# KiCad board rp2040_tmp.kicad_pcb (continued)
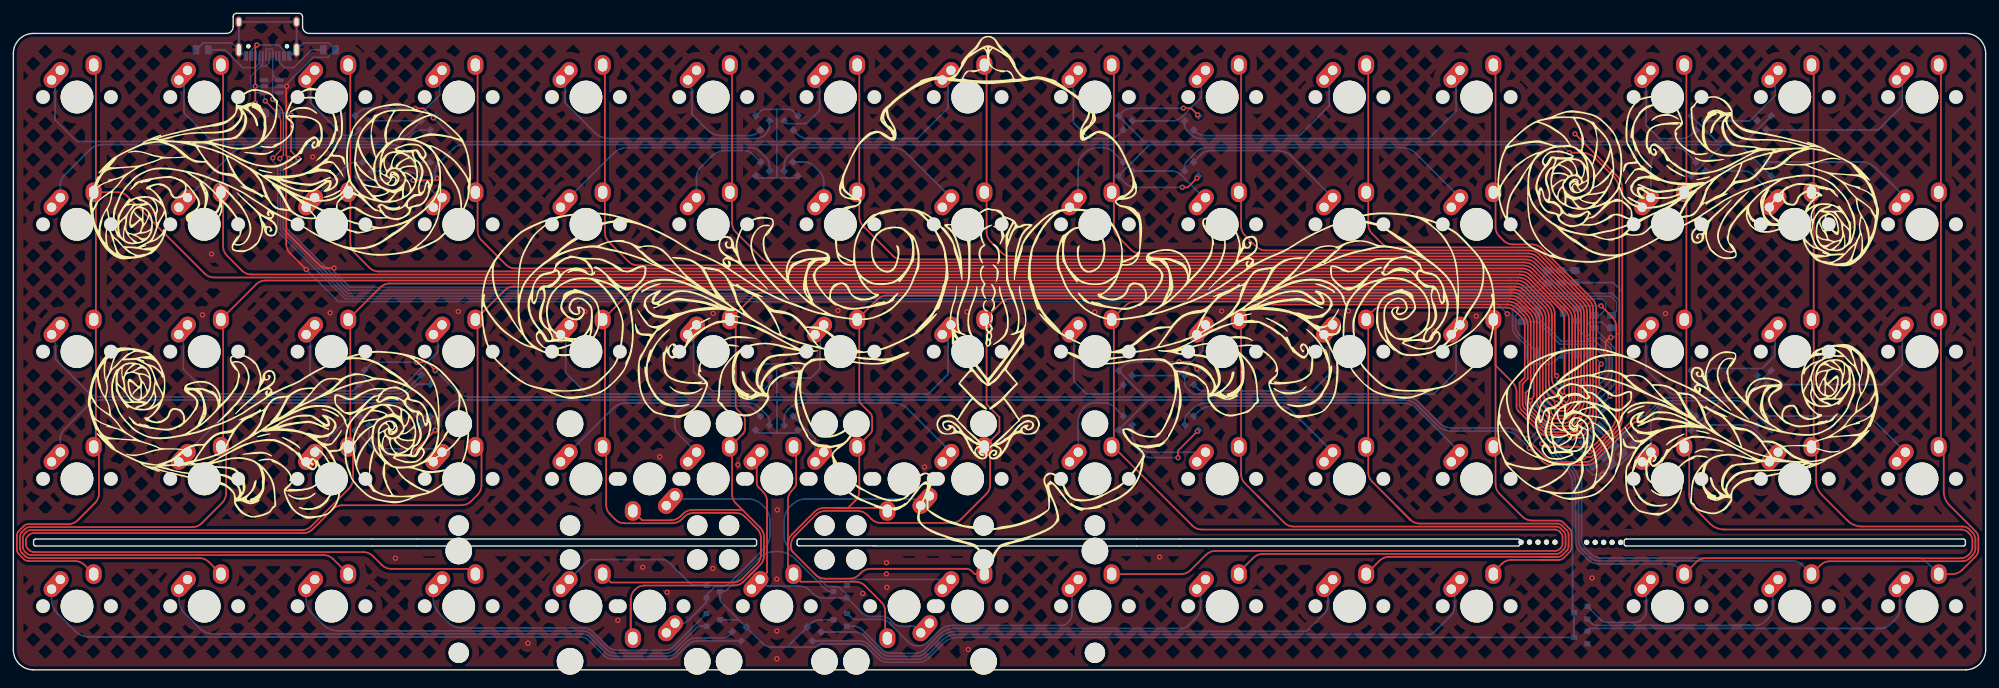
[diagram p0: board, top side]
## Routing (per net, layer and track width the routed paths; a pad name or vN(x,y) marks a point on that pad's centre or on a via; arc(x,y) is an arc through that point) (continued)
  Bottom w0.25: v1(232.2,41) 232.2,41 U0.22
COL2: length 558.1
  Top w0.25: 229.87,52.25 229.87,43 arc(230.02,42.24) 230.46,41.59 v1(232.11,39.94) ; 229.87,52.25 229.87,52.92 arc(229.72,53.69) 229.28,54.34 226.39,57.23 arc(225.74,57.67) 224.97,57.82 56.35,57.82 arc(55.58,57.67) 54.93,57.23 SW203.2 50.45,52.1 50.45,33.7 SW303.2 50.84,32.66 50.84,28.55 arc(50.69,27.79) 50.26,27.14 44.61,21.49 arc(43.96,21.05) 43.19,20.9 2.62,20.9 arc(2.24,20.82) 1.92,20.61 1.71,20.4 arc(1.5,20.08) 1.42,19.7 1.42,18.4 arc(1.5,18.02) 1.71,17.7 1.94,17.47 arc(2.27,17.25) 2.65,17.18 46.45,17.18 arc(47.21,17.02) 47.86,16.59 50.12,14.33 ; 229.87,52.25 229.87,52.52 ; v1(232.11,39.94) 232.17,39.88 ; v1(232.11,39.94) 232.5,39.94 232.63,40.07 arc(232.84,40.39) 232.92,40.77 232.92,52.41 arc(232.77,53.18) 232.33,53.83 227.13,59.03 arc(226.48,59.47) 225.72,59.62 54.69,59.62 arc(53.93,59.77) 53.28,60.2 51.04,62.45 arc(50.6,63.1) 50.45,63.86 50.45,71.15 SW13.2 50.45,71.8 50.45,90.2 50.12,90.53
  Bottom w0.25: U0.21 232.11,39.96 v1(232.11,39.94)
COL3: length 556.8
  Top w0.25: 69.17,90.53 69.5,90.2 69.5,71.8 SW14.2 69.5,71.15 69.5,65.7 arc(69.65,64.94) 70.09,64.29 73.72,60.65 arc(74.37,60.22) 75.14,60.07 225.9,60.07 arc(226.67,59.92) 227.32,59.48 232.78,54.02 arc(233.22,53.37) 233.37,52.6 233.37,41 arc(233.22,40.24) 232.78,39.59 232.41,39.21 231.71,39.21 v1(231.02,39.9) 230.01,40.91 arc(229.57,41.56) 229.42,42.33 229.42,52.73 arc(229.27,53.5) 228.84,54.15 226.2,56.79 arc(225.55,57.22) 224.78,57.37 74.95,57.37 arc(74.18,57.22) 73.54,56.79 SW204.2 69.5,52.1 69.5,33.7 SW304.2 69.22,33.38 70.08,32.51 70.08,27.61 arc(69.93,26.84) 69.5,26.19 68.52,25.22 arc(67.87,24.78) 67.11,24.63 49.21,24.63 arc(48.45,24.48) 47.8,24.04 44.79,21.04 arc(44.14,20.6) 43.38,20.45 3.02,20.45 arc(2.64,20.37) 2.31,20.16 2.16,20.01 arc(1.95,19.68) 1.87,19.3 1.87,18.83 arc(1.95,18.45) 2.16,18.12 2.37,17.92 arc(2.69,17.7) 3.07,17.63 52.39,17.63 arc(53.16,17.47) 53.81,17.04 55.15,15.7 arc(55.8,15.26) 56.56,15.11 68.39,15.11 69.17,14.33
  Bottom w0.25: U0.20 231.02,39.91 v1(231.02,39.9)
COL4: length 448.9
  Top w0.25: 224.15,56.92 93.55,56.92 arc(92.78,56.77) 92.14,56.34 SW205.2 88.55,52.1 ; 224.15,56.92 224.6,56.92 arc(225.36,56.77) 226.01,56.34 228.39,53.96 arc(228.82,53.31) 228.97,52.55 228.97,41.73 arc(229.12,40.96) 229.56,40.31 v1(231.11,38.76) ; 224.15,56.92 224.8,56.92 ; 88.55,52.1 88.55,42.97 ; 88.55,52.1 88.55,33.7 SW305.2 88.74,32.86 88.74,24.69 arc(88.9,23.92) 89.33,23.27 90.08,22.53 arc(90.73,22.09) 91.49,21.94 98.66,21.94 arc(99.42,22.09) 100.07,22.53 100.45,22.9 arc(101.1,23.34) 101.86,23.49 108.13,23.49 arc(108.9,23.34) 109.55,22.9 111.35,21.1 arc(111.78,20.45) 111.94,19.69 111.94,17.28 arc(111.78,16.51) 111.35,15.87 109.14,13.66 arc(108.49,13.22) 107.72,13.07 89.48,13.07 88.22,14.33 ; 88.22,90.53 88.55,90.2 88.55,71.8 SW15.2 88.55,71.15 88.55,65.47 arc(88.7,64.71) 89.14,64.06 92.09,61.1 arc(92.74,60.67) 93.51,60.52 226.09,60.52 arc(226.85,60.37) 227.5,59.93 233.23,54.2 arc(233.67,53.55) 233.82,52.79 233.82,40.82 arc(233.67,40.05) 233.23,39.4 232.59,38.76 v1(231.11,38.76) ; v1(231.11,38.76) 230.2,39.67
  Bottom w0.25: v1(231.11,38.76) 231.04,38.76 U0.19
COL5: length 415.2
  Top w0.25: 109.15,23.94 101.68,23.94 arc(100.91,23.79) 100.26,23.35 99.88,22.98 arc(99.24,22.54) 98.47,22.39 94.14,22.39 92.75,23.78 ; 110.54,14.42 111.4,15.28 ; 110.54,14.42 109.33,13.21 arc(108.68,12.77) 107.91,12.62 94.51,12.62 arc(93.75,12.47) 93.1,12.03 93.01,11.95 arc(92.58,11.3) 92.43,10.53 92.43,5.05 ; 110.54,14.42 110.04,13.92 111.8,15.68 arc(112.23,16.33) 112.38,17.09 112.38,19.87 arc(112.23,20.64) 111.8,21.29 108.19,24.9 arc(107.75,25.55) 107.6,26.31 107.6,33.05 SW306.2 109.23,35.33 arc(109.45,35.66) 109.52,36.04 109.52,37.4 arc(109.45,37.78) 109.23,38.1 108.43,38.91 arc(108.21,39.23) 108.14,39.61 108.14,51.56 SW206.2 110.74,55.89 arc(111.39,56.32) 112.15,56.47 223.92,56.47 ; 223.92,56.47 224.41,56.47 arc(225.18,56.32) 225.83,55.89 227.94,53.78 arc(228.37,53.13) 228.52,52.36 228.52,48.13 ; 223.92,56.47 224.32,56.47 ; 92.43,5.05 93.54,3.93 ; 92.43,5.05 92.43,10.69 ; 228.52,48.13 228.52,40.95 arc(228.67,40.19) 229.11,39.54 v1(229.95,38.7) 230.61,38.04 232.51,38.04 233.68,39.22 arc(234.12,39.87) 234.27,40.63 234.27,52.97 arc(234.12,53.74) 233.68,54.39 227.69,60.38 arc(227.04,60.82) 226.27,60.97 113.52,60.97 arc(112.75,61.12) 112.1,61.55 108.19,65.47 arc(107.75,66.12) 107.6,66.88 107.6,71.15 SW16.2 107.6,71.8 107.6,90.2 107.27,90.53 ; 228.52,48.13 228.52,51.9
  Bottom w0.25: U0.18 229.95,38.73 v1(229.95,38.7)
COL6: length 369.8
  Top w0.25: 123.3,24.23 130.4,24.23 130.85,23.78 ; 123.3,24.23 124.95,24.23 126.06,25.34 arc(126.5,25.99) 126.65,26.75 126.65,33.05 SW307.2 128.28,35.33 arc(128.5,35.66) 128.57,36.04 128.57,37.71 arc(128.5,38.09) 128.28,38.41 126.94,39.75 arc(126.73,40.08) 126.65,40.46 126.65,52.1 SW207.2 129.34,55.44 arc(129.99,55.87) 130.75,56.02 224.23,56.02 arc(224.99,55.87) 225.64,55.44 227.49,53.59 arc(227.92,52.94) 228.07,52.18 228.07,40.38 arc(228.22,39.61) 228.66,38.96 v1(229.96,37.66) 230.03,37.59 232.69,37.59 234.13,39.03 arc(234.57,39.68) 234.72,40.44 234.72,53.16 arc(234.57,53.93) 234.13,54.57 227.87,60.83 arc(227.23,61.26) 226.46,61.42 133.05,61.42 arc(132.28,61.57) 131.63,62 127.24,66.4 arc(126.8,67.05) 126.65,67.82 126.65,71.15 SW17.2 126.65,71.8 126.65,90.2 126.33,90.53 ; 123.3,24.23 121.36,24.23 arc(120.59,24.08) 119.94,23.64 116.55,20.25 arc(116.12,19.6) 115.97,18.84 ; SW407_3.2 117.2,32.98 117.2,27.89 arc(117.12,27.51) 116.9,27.18 116.55,26.83 arc(116.12,26.18) 115.97,25.42 115.97,18.84 ; 130.85,4.73 130.53,5.05 130.53,8.72 arc(130.37,9.49) 129.94,10.14 127.47,12.6 arc(126.82,13.04) 126.06,13.19 117.94,13.19 115.97,15.16 115.97,18.84
  Bottom w0.25: v1(229.96,37.66) 229.88,37.66 U0.17
COL7: length 340.6
  Top w0.25: 145.38,90.53 145.7,90.2 145.7,71.8 SW18.2 145.7,71.15 145.7,65.52 arc(145.85,64.76) 146.29,64.11 147.94,62.45 arc(148.59,62.02) 149.36,61.87 226.65,61.87 arc(227.41,61.71) 228.06,61.28 234.58,54.76 arc(235.01,54.11) 235.17,53.35 235.17,40.26 arc(235.01,39.49) 234.58,38.84 232.97,37.23 arc(232.64,37.01) 232.26,36.94 230.07,36.94 arc(229.69,37.01) 229.36,37.23 227.41,39.18 arc(227.2,39.51) 227.12,39.89 v1(227.12,40.3) 227.33,40.51 arc(227.55,40.83) 227.62,41.22 227.62,51.99 arc(227.47,52.76) 227.04,53.4 225.45,54.99 arc(224.81,55.42) 224.04,55.57 149.35,55.57 arc(148.59,55.42) 147.94,54.99 SW208.2 145.7,52.1 145.7,39.74 147.62,37.81 147.62,35.62 SW308.2 145.38,33.27 146.25,32.4 146.25,27.73 arc(146.09,26.96) 145.66,26.31 141.91,22.56 arc(141.26,22.13) 140.49,21.98 129.89,21.98 arc(129.12,22.13) 128.47,22.56 127.84,23.19 arc(127.19,23.63) 126.43,23.78 121.54,23.78 arc(120.78,23.63) 120.13,23.19 117,20.07 arc(116.57,19.42) 116.42,18.65 116.42,18.33 arc(116.49,17.95) 116.71,17.62 120.11,14.22 arc(120.76,13.79) 121.52,13.64 125.19,13.64 arc(125.96,13.79) 126.6,14.22 126.91,14.53 arc(127.56,14.96) 128.33,15.12 142.72,15.12 arc(143.1,15.04) 143.43,14.82 143.93,14.33 145.38,14.33
  Bottom w0.25: v1(227.12,40.3) 227.12,38.37 U0.16
COL8: length 373.9
  Top w0.25: 164.43,90.53 164.75,90.2 164.75,71.8 SW19.2 164.75,71.15 164.75,66.27 arc(164.9,65.51) 165.34,64.86 167.29,62.9 arc(167.94,62.47) 168.71,62.32 226.83,62.32 arc(227.6,62.16) 228.25,61.73 235.03,54.95 arc(235.46,54.3) 235.62,53.53 235.62,39.55 arc(235.46,38.78) 235.03,38.14 v1(234.47,37.58) 233.68,36.78 arc(233.35,36.56) 232.97,36.49 229.89,36.49 arc(229.5,36.56) 229.18,36.78 226.69,39.27 arc(226.47,39.6) 226.4,39.98 226.4,41.45 227.17,42.23 227.17,51.8 arc(227.02,52.57) 226.59,53.22 225.27,54.54 arc(224.62,54.97) 223.85,55.12 167.95,55.12 arc(167.19,54.97) 166.54,54.54 SW209.2 164.75,52.1 164.75,33.7 SW309.2 164.7,33.38 176.5,21.58 arc(177.15,21.14) 177.91,20.99 230.77,20.99 arc(231.15,20.92) 231.48,20.7 231.64,20.53 arc(231.86,20.21) 231.94,19.83 231.94,18.91 arc(231.86,18.53) 231.64,18.21 231.53,18.09 arc(231.2,17.88) 230.82,17.8 179.96,17.8 arc(179.2,17.65) 178.55,17.21 176.25,14.91 arc(175.6,14.48) 174.83,14.33 164.43,14.33 164.43,14.78
  Bottom w0.25: v1(234.47,37.58) 234.46,37.59 234.46,42.02 U0.26
COL9: length 302.4
  Top w0.25: 183.48,90.53 183.8,90.2 183.8,71.8 SW110.2 183.8,71.15 183.8,66.43 arc(183.95,65.67) 184.39,65.02 186.05,63.35 arc(186.7,62.92) 187.47,62.77 227.02,62.77 arc(227.78,62.61) 228.43,62.18 235.48,55.13 arc(235.91,54.48) 236.07,53.72 236.07,38.97 arc(235.91,38.21) 235.48,37.56 v1(234.43,36.51) 233.96,36.04 229.7,36.04 arc(229.32,36.12) 228.99,36.33 226.24,39.09 arc(226.02,39.41) 225.95,39.79 225.95,42.8 226.72,43.58 226.72,51.62 arc(226.57,52.38) 226.14,53.03 225.08,54.09 arc(224.43,54.52) 223.67,54.67 185.86,54.67 arc(185.48,54.6) 185.16,54.38 183.48,52.7 SW210.2 183.8,52.1 183.8,33.7 SW310.2 183.8,33.05 183.8,29.32 arc(183.95,28.56) 184.39,27.91 186.35,25.94 ; 186.35,25.94 187.97,24.32 ; 186.35,25.94 190.27,22.03 arc(190.92,21.59) 191.68,21.44 230.96,21.44 arc(231.34,21.36) 231.66,21.15 232.09,20.72 arc(232.31,20.39) 232.38,20.01 232.38,18.71 arc(232.31,18.33) 232.09,18.01 231.73,17.64 arc(231.4,17.43) 231.02,17.35 187.05,17.35 arc(186.29,17.2) 185.64,16.76 183.48,14.6 183.48,14.33
  Bottom w0.25: v1(234.43,36.51) 234.43,36.5 U0.5 ; U0.5 236.11,34.71 ; U0.5 236.12,34.83 ; U0.5 236.04,34.83
COL10: length 230.6
  Top w0.25: 207.13,24.46 203.44,28.16 arc(203,28.81) 202.85,29.57 202.85,33.05 SW311.2 202.85,33.7 202.85,52.1 SW211.2 202.53,52.7 203.76,53.93 arc(204.08,54.15) 204.46,54.22 223.48,54.22 arc(224.25,54.07) 224.9,53.64 225.69,52.85 arc(226.12,52.2) 226.27,51.43 226.27,43.76 225.5,42.98 225.5,39.61 arc(225.57,39.22) 225.79,38.9 228.81,35.88 arc(229.13,35.67) 229.51,35.59 234.2,35.59 v1(234.37,35.43) 235.93,36.99 arc(236.36,37.63) 236.52,38.4 236.52,53.9 arc(236.36,54.67) 235.93,55.32 228.62,62.63 arc(227.97,63.06) 227.21,63.21 206.31,63.21 arc(205.54,63.37) 204.89,63.8 203.44,65.26 arc(203,65.91) 202.85,66.67 202.85,71.15 SW111.2 202.85,71.8 202.85,90.2 202.53,90.53 ; 207.13,24.46 209.2,22.4 ; 207.13,24.46 209.12,22.48 arc(209.77,22.04) 210.53,21.89 231.14,21.89 arc(231.52,21.81) 231.85,21.6 232.54,20.91 arc(232.76,20.58) 232.83,20.2 232.83,18.53 arc(232.76,18.14) 232.54,17.82 231.91,17.19 arc(231.59,16.98) 231.21,16.9 228.9,16.9 ; 231.19,16.9 205.93,16.9 arc(205.16,16.75) 204.52,16.32 202.53,14.33 202.53,14.6
  Bottom w0.25: v1(234.37,35.43) 234.38,35.43 U0.6
COL11: length 159.1
  Top w0.25: 225.65,38.4 228.62,35.43 arc(228.94,35.22) 229.33,35.14 232.57,35.14 233.01,34.7 v1(233.42,34.7) 234.67,34.7 236.38,36.42 arc(236.82,37.06) 236.97,37.83 236.97,40.08 236.97,40.08 236.97,54.09 arc(236.81,54.86) 236.38,55.5 228.81,63.08 arc(228.16,63.51) 227.39,63.66 224.51,63.66 arc(223.74,63.82) 223.09,64.25 222.49,64.86 arc(222.05,65.51) 221.9,66.27 221.9,71.15 SW112.2 221.9,71.8 221.9,90.2 221.58,90.53 ; 225.65,38.4 225.34,38.71 ; 225.65,38.4 225.34,38.71 ; 228.46,16.45 231.39,16.45 arc(231.78,16.53) 232.1,16.74 232.99,17.63 arc(233.21,17.96) 233.28,18.34 233.28,20.38 arc(233.21,20.77) 232.99,21.09 232.04,22.05 arc(231.71,22.26) 231.33,22.34 227.33,22.34 arc(226.57,22.49) 225.92,22.93 222.49,26.36 arc(222.05,27.01) 221.9,27.77 221.9,33.05 SW312.2 221.9,33.7 221.9,52.1 ; 228.46,16.45 224.25,16.45 arc(223.49,16.3) 222.84,15.87 221.58,14.6 221.58,14.33 ; 228.46,16.45 231.38,16.45 ; 221.9,52.1 SW212.2 ; 221.9,52.1 221.9,45.55 224.46,42.99 arc(224.89,42.34) 225.05,41.57 225.05,39.42 arc(225.12,39.04) 225.34,38.71
  Bottom w0.25: v1(233.42,34.7) 233.64,34.92 233.64,42.33 U0.25
COL12: length 191.7
  Top w0.25: 250.15,14.33 251.94,16.11 arc(252.59,16.55) 253.35,16.7 291.61,16.7 arc(292.19,16.81) 292.67,17.14 292.86,17.32 arc(293.18,17.81) 293.3,18.38 293.3,19.31 arc(293.18,19.88) 292.86,20.37 292.66,20.56 arc(292.18,20.89) 291.6,21 256.14,21 arc(254.99,21.23) 254.02,21.88 251.77,24.12 arc(251.12,25.09) 250.9,26.24 250.9,32.35 250.15,33.1 SW313.2 250.47,33.7 250.47,90.2 250.15,90.53
  Bottom w0.25: U0.11 230.71,33.74 230.71,32.81 arc(230.79,32.43) 231,32.11 233,30.11 arc(233.65,29.14) 233.88,27.99 233.88,19.21 arc(234.03,18.45) 234.46,17.8 235.83,16.44 arc(236.47,16) 237.24,15.85 247.8,15.85 arc(248.56,15.7) 249.21,15.26 250.15,14.33
COL13: length 171.4
  Top w0.25: 269.2,90.53 269.52,90.2 269.52,33.7 SW314.2 269.2,33.3 269.89,32.6 269.89,28.28 arc(270.12,27.13) 270.77,26.16 274.6,22.33 arc(275.57,21.68) 276.72,21.45 291.79,21.45 arc(292.36,21.34) 292.85,21.01 293.31,20.55 arc(293.63,20.07) 293.75,19.49 293.75,18.2 arc(293.63,17.62) 293.31,17.14 292.86,16.69 arc(292.37,16.36) 291.8,16.25 271.95,16.25 arc(271.19,16.1) 270.54,15.66 269.2,14.33
  Bottom w0.25: 269.2,14.33 267.81,15.71 arc(267.16,16.15) 266.4,16.3 237.43,16.3 arc(236.66,16.45) 236.01,16.89 234.91,17.98 arc(234.48,18.63) 234.33,19.4 234.33,28.18 arc(234.1,29.32) 233.45,30.3 231.57,32.18 arc(231.35,32.5) 231.28,32.88 231.28,33.18 U0.10
COL14: length 153
  Top w0.25: 288.25,90.53 288.57,90.2 288.57,33.7 SW315.2 288.25,33.35 289,32.6 289,26.74 arc(289.22,25.59) 289.87,24.62 293.76,20.74 arc(294.08,20.25) 294.19,19.68 294.19,18.01 arc(294.08,17.44) 293.76,16.95 291.72,14.91 arc(291.07,14.48) 290.3,14.33 288.25,14.33
  Bottom w0.25: U0.9 233.9,31.59 arc(234.55,30.62) 234.78,29.47 234.78,19.58 arc(234.93,18.82) 235.36,18.17 236.2,17.33 arc(236.85,16.9) 237.61,16.75 285,16.75 arc(285.76,16.6) 286.41,16.16 288.25,14.33
D+: length 239
  Top w0.2: 39.87,76.5 v1(39.89,76.53) 40.43,77.06 40.43,82.95 arc(40.27,83.72) 39.84,84.36 v1(38.83,85.38)
  Bottom w0.2: 38.83,89.04 v1(38.83,85.38) ; 38.83,89.04 J0.B6 38.83,92.85 38.77,92.9 37.88,92.9 37.83,92.85 J0.A6 ; 38.83,89.04 39.59,88.28 ; 48.73,57.03 49.2,56.56 ; 48.73,57.03 49.84,55.93 239.17,55.93 240,55.09 240,53.68 239.33,53.01 R1.1 ; 48.73,57.03 45.61,60.15 ; 45.61,60.15 39.98,65.79 39.98,76.44 v1(39.89,76.53) ; 45.61,60.15 45.91,59.85
D-: length 251.8
  Top w0.2: v1(37.72,85.13) 39.44,83.4 arc(39.87,82.76) 40.03,81.99 40.03,77.78 v1(38.84,76.6)
  Bottom w0.2: J0.A7 38.33,90.91 37.72,90.3 37,90.3 37.33,90.62 ; 37.33,90.62 J0.B7 37.33,90.91 ; 37.33,90.62 35.53,88.83 35.53,87.04 36.19,86.38 U1.4 37.53,85.31 v1(37.72,85.13) ; 39.58,65.62 46.38,58.82 ; 39.58,65.62 49.67,55.53 235.49,55.53 ; 39.58,65.62 39.58,75.38 38.84,76.11 v1(38.84,76.6) ; 235.49,55.53 237.77,55.53 238.4,54.9 238.4,53.98 237.43,53.01 R2.1 ; 235.49,55.53 237.04,55.53
ROW0: length 319.8
  Top w0.25: 235.09,31.53 v1(235.09,31.83) 236.19,31.83 240,35.63 arc(240.65,36.6) 240.88,37.75 240.88,71.9 arc(240.65,73.05) 240,74.02 v1(233.8,80.23) ; v1(62.87,82.6) 61.44,84.03 v1(60.17,84.03) ; v1(175.18,84.05) 176.31,84.05 v1(177.31,83.06)
  Bottom w0.25: D3.3 111.8,83.6 arc(112.12,83.81) 112.51,83.89 114.3,83.89 ; D8.3 259.92,79.65 arc(259.27,79.21) 258.51,79.06 256.56,79.06 ; v1(62.87,82.6) 65.82,79.65 arc(66.47,79.21) 67.24,79.06 114.33,79.06 ; 256.56,79.06 241.03,79.06 ; 256.56,79.06 255.02,79.06 D7.3 ; U0.8 235.09,32.45 v1(235.09,31.83) ; 172.51,79.06 114.33,79.06 ; 172.51,79.06 169.28,79.06 D5.3 165.99,83.46 arc(166.64,83.9) 167.41,84.05 v1(175.18,84.05) ; 172.51,79.06 241.03,79.06 ; D2.3 51.69,83.44 arc(52.34,83.87) 53.11,84.03 v1(60.17,84.03) ; 114.3,83.89 114.3,79.09 114.33,79.06 ; 114.3,83.89 116.08,83.89 arc(116.46,83.81) 116.78,83.6 D4.3 ; 241.03,79.06 234.94,79.06 v1(233.8,80.23) 233.77,80.23
ROW1: length 315.5
  Top w0.25: 240.43,43.42 240.43,37.93 arc(240.2,36.79) 239.55,35.81 236.36,32.63 v1(235.97,32.63) ; 240.43,43.42 240.43,42.42 ; 240.43,43.42 240.43,71.72 arc(240.2,72.86) 239.55,73.84 236.86,76.52 arc(235.89,77.17) 234.74,77.4 v1(232.95,77.4) ; v1(177.21,73.6) 175.81,72.21 v1(175.02,72.21) ; v1(59.85,73.26) 63.16,73.26 v1(63.44,73.55)
  Bottom w0.25: 171.01,78.61 114.32,78.61 ; 171.01,78.61 228.81,78.61 ; 171.01,78.61 170.12,78.61 D13.3 166.53,72.8 arc(167.18,72.36) 167.95,72.21 v1(175.02,72.21) ; D15.3 255.89,78.61 257,78.61 ; 63.15,74.23 D9.3 63.15,74.46 arc(63.3,75.22) 63.74,75.87 65.89,78.02 arc(66.54,78.46) 67.3,78.61 114.32,78.61 ; 114.31,73.63 111.4,73.63 D11.3 ; 114.31,73.63 117.19,73.63 D12.3 ; 114.31,73.63 114.31,78.59 114.32,78.61 ; 257,78.61 228.81,78.61 ; 257,78.61 257.64,78.61 arc(258.4,78.46) 259.05,78.02 D16.3 ; 228.81,78.61 231.76,78.61 v1(232.95,77.4) 232.97,77.4 ; D10.3 52.15,73.26 v1(59.85,73.26) ; U0.7 235.97,32.7 v1(235.97,32.63)
ROW2: length 263.7
  Top w0.25: 61.6,46.03 61.88,46.03 ; 61.6,46.03 v1(60.41,46.03) ; 61.6,46.03 61.96,46.03 v1(63.16,44.83) ; v1(243.5,37.98) 243.17,37.65 242.66,37.65 236.67,31.66 arc(236.02,31.23) 235.25,31.08 230.92,31.08 arc(230.16,31.23) 229.51,31.66 v1(226.59,34.57) ; v1(174.52,46.1) 176.12,46.1 v1(177.18,45.05)
  Bottom w0.25: U0.15 227.02,34.57 v1(226.59,34.57) 225.87,35.3 arc(224.9,35.95) 223.75,36.17 215.49,36.17 arc(214.34,36.4) 213.37,37.05 210.46,39.96 arc(209.49,40.61) 208.34,40.84 207.11,40.84 ; 260.27,41.9 260.13,41.76 ; 260.27,41.9 259.69,41.32 arc(259.04,40.88) 258.28,40.73 255.4,40.73 ; 260.27,41.9 D24.3 ; 171.08,40.84 207.11,40.84 ; 171.08,40.84 169.38,40.84 D21.3 165.87,45.21 arc(166.85,45.86) 167.99,46.09 174.51,46.09 v1(174.52,46.1) ; 171.08,40.84 114.28,40.84 ; 207.11,40.84 207.31,40.84 ; 255.4,40.73 255.23,40.73 D23.3 ; 255.4,40.73 247.77,40.73 arc(247.01,40.58) 246.36,40.14 244.19,37.98 v1(243.5,37.98) ; D20.3 117.01,45.2 arc(116.36,45.64) 115.59,45.79 114.3,45.79 ; 114.3,45.79 114.3,40.86 114.28,40.84 ; 114.3,45.79 113,45.79 arc(112.23,45.64) 111.58,45.2 D19.3 ; 114.28,40.84 68.39,40.84 arc(67.24,41.07) 66.27,41.72 v1(63.16,44.83) ; D18.3 53.78,46.04 60.41,46.04 v1(60.41,46.03)
ROW3: length 285.7
  Top w0.25: 232.17,30.63 231.33,30.63 ; 232.17,30.63 230.67,30.63 ; 232.17,30.63 233.02,30.63 ; 226.8,33.35 v1(226.96,33.19) 228.93,31.21 arc(229.58,30.78) 230.35,30.63 233.02,30.63 ; 234.74,30.63 230.74,30.63 ; 234.74,30.63 233.02,30.63 ; 234.74,30.63 235.44,30.63 arc(236.2,30.78) 236.85,31.21 242.69,37.05 v1(243.9,37.05) ; v1(177.26,35.69) 174.36,32.79 v1(174.36,31.75) ; v1(59.67,32.19) 59.67,32.37 v1(63.16,35.85) 62.24,34.93
  Bottom w0.25: 261.06,38 259.36,39.69 arc(258.71,40.13) 257.95,40.28 255.57,40.28 ; 261.06,38 259.96,39.09 ; 261.06,38 D32.3 ; D28.3 117.03,35.45 114.31,35.45 ; 114.31,40.39 67.06,40.39 arc(66.3,40.24) 65.65,39.8 63.45,37.61 arc(63.24,37.29) 63.16,36.9 v1(63.16,35.85) ; 114.31,40.39 114.31,40.38 114.31,35.45 ; 114.31,40.39 170.46,40.39 ; 114.31,35.45 111.56,35.45 D27.3 ; 170.46,40.39 206.16,40.39 ; 170.46,40.39 169.95,40.39 D29.3 168.37,32.96 168.37,32.95 168.98,32.34 arc(169.63,31.9) 170.39,31.75 v1(174.36,31.75) ; 206.16,40.39 208.15,40.39 arc(209.3,40.16) 210.27,39.51 213.18,36.6 arc(214.16,35.95) 215.3,35.73 223.18,35.73 arc(224.33,35.5) 225.3,34.85 v1(226.96,33.19) 226.96,33.38 U0.14 ; 206.16,40.39 207.74,40.39 ; 255.57,40.28 D31.3 ; 255.57,40.28 256.89,40.28 247.96,40.28 arc(247.19,40.13) 246.54,39.69 v1(243.9,37.05) ; D26.3 54.82,32.19 v1(59.67,32.19)
ROW4: length 199.1
  Bottom w0.25: 108.63,7.48 D33.3 112.13,3.98 arc(112.78,3.55) 113.54,3.4 116.02,3.4 ; 108.63,7.48 106.06,10.05 arc(105.85,10.37) 105.77,10.75 D35.3 106.21,11.73 arc(106.59,11.8) 106.91,12.02 111.45,16.55 arc(114.27,17.72) 117.1,16.55 121.64,12.02 arc(121.96,11.8) 122.34,11.73 D36.3 ; 108.63,7.48 D34.3 ; 116.02,3.4 115.85,3.4 D38.3 119.34,6.89 arc(119.99,7.32) 120.76,7.48 D37.3 ; 116.02,3.4 120.03,3.4 arc(120.22,3.43) 120.39,3.54 120.42,3.58 arc(120.75,3.8) 121.13,3.87 126.49,3.87 arc(127.25,3.72) 127.9,3.29 129.48,1.71 arc(130.12,1.28) 130.89,1.13 135.59,1.13 arc(136.35,1.28) 137,1.71 139.25,3.96 arc(140.22,4.61) 141.37,4.84 233.64,4.84 D40.3 D39.3 233.43,8.77 233.43,27.8 arc(233.2,28.95) 232.55,29.92 230.35,32.12 arc(230.14,32.45) 230.06,32.83 230.06,34.22 U0.12
Net-(C0-Pad2): length 7.6
  Bottom w0.25: Y0.1 241.36,32.79 241.36,33.42 ; 241.36,33.42 239.61,35.17 239.61,35.85 U0.1 ; 241.36,33.42 242.1,33.42 C0.2 242.33,33.76
Net-(C1-Pad2): length 7.5
  Bottom w0.25: U0.2 238.94,35.39 238.94,34.12 238.11,33.29 Y0.3 237.96,31.94 C1.2
Net-(C2-Pad1): length 20.5
  Bottom w0.25: U0.27 237.89,44.32 arc(238.32,44.97) 238.48,45.73 238.48,46.1 arc(238.4,46.49) 238.18,46.81 236.25,48.74 231.55,48.74 228.17,52.12 C2.1
Net-(D1-Pad1): length 64.2
  Bottom w0.25: D1.1 61.19,80.8 arc(60.42,80.64) 59.77,80.21 59.51,79.95 arc(58.54,79.3) 57.39,79.07 9.48,79.07 6.25,82.3 6.25,87.45 5.72,87.97 SW_1.1
Net-(D1-Pad2): length 43.4
  Bottom w0.25: 24.72,88.22 SW_2.1 24.78,88.22 25.54,87.45 25.54,83.35 29.38,79.52 57.19,79.52 arc(58.33,79.75) 59.31,80.4 61.05,82.14 D1.2
Net-(D2-Pad1): length 14.8
  Bottom w0.25: D2.1 59.98,82.16 63.84,86.03 63.84,87.31 SW4.1
Net-(D2-Pad2): length 13.4
  Bottom w0.25: SW_3.1 44.5,87.61 44.5,84.86 49.09,80.26 arc(49.42,80.04) 49.8,79.97 50.64,79.97 arc(51.02,80.04) 51.35,80.26 D2.2
Net-(D3-Pad1): length 38.1
  Bottom w0.25: D3.1 113.19,81.57 arc(113.04,80.8) 112.61,80.15 112.55,80.1 arc(111.9,79.66) 111.14,79.51 89.19,79.51 arc(88.04,79.74) 87.07,80.39 82.59,84.86 82.59,87.61 SW_5.1
Net-(D3-Pad2): length 17.1
  Bottom w0.25: SW_6.1 100.97,87.52 101.59,86.9 101.59,83.11 103.87,80.84 arc(104.84,80.19) 105.99,79.96 110.16,79.96 arc(110.93,80.11) 111.57,80.54 D3.2
Net-(D4-Pad1): length 30.1
  Bottom w0.25: D4.1 117.46,80.1 arc(118.1,79.66) 118.87,79.51 135.35,79.51 139.95,84.1 139.95,87.25 139.08,88.12 SW_8.1
Net-(D4-Pad2): length 11.1
  Bottom w0.25: SW_7.1 120.02,87.77 120.7,87.1 120.7,83.7 118.74,81.75 115.8,81.75 D4.2
Net-(D5-Pad1): length 14.6
  Bottom w0.25: SW_10.1 177.18,87.87 177.84,87.2 177.84,85.65 174.95,82.75 arc(174.3,82.32) 173.53,82.16 D5.1
Net-(D5-Pad2): length 15.5
  Bottom w0.25: SW_9.1 158.12,88.07 158.7,87.5 158.7,81.9 161.09,79.51 164.04,79.51 arc(164.81,79.66) 165.45,80.1 D5.2
Net-(D6-Pad1): length 26.6
  Bottom w0.25: D6.1 176.97,80.54 arc(177.61,80.11) 178.38,79.96 192.55,79.96 197,84.4 197,87.1 196.23,87.87 SW_11.1
Net-(D6-Pad2): length 48.9
  Bottom w0.25: D6.2 175.37,81.46 arc(175.44,81.08) 175.66,80.76 176.32,80.1 arc(176.97,79.66) 177.73,79.51 211.85,79.51 216,83.65 216,87.56 SW_12.1
Net-(D7-Pad1): length 14.8
  Bottom w0.25: SW_14.1 262.9,88.15 263.79,87.25 263.79,85.96 259.99,82.15 D7.1
Net-(D7-Pad2): length 15.8
  Bottom w0.25: D7.2 251.2,80.1 arc(250.56,79.66) 249.79,79.51 246.45,79.51 244.45,81.51 244.45,87.1 243.85,87.7 SW0_13.1
Net-(D8-Pad1): length 26.1
  Bottom w0.25: SW_15.1 281.97,88.28 282.79,87.45 282.79,84.4 279.21,80.81 D8.1
Net-(D9-Pad1): length 39.3
  Bottom w0.25: SW12.1 32.69,77.29 arc(33.67,77.94) 34.81,78.17 56.26,78.17 arc(57.41,77.94) 58.38,77.29 D9.1
Net-(D9-Pad2): length 61
  Bottom w0.25: SW11.1 7.02,72.58 arc(7.18,73.35) 7.61,74 11.36,77.74 arc(12.33,78.39) 13.48,78.62 56.45,78.62 arc(57.6,78.39) 58.57,77.74 59.77,76.54 arc(60.42,76.11) 61.19,75.95 D9.2
Net-(D10-Pad1): length 9.3
  Bottom w0.25: D10.1 51.23,75.95 arc(50.47,75.8) 49.82,75.37 SW13.1
Net-(D10-Pad2): length 12.1
  Bottom w0.25: SW14.1 63.72,70.68 60.37,74.02 arc(59.72,74.46) 58.96,74.61 D10.2
Net-(D11-Pad1): length 15.2
  Bottom w0.25: D11.1 110.73,77.13 arc(110.08,77.56) 109.32,77.71 106.64,77.71 arc(105.49,77.48) 104.52,76.83 102.86,75.18 arc(102.43,74.53) 102.27,73.76 SW16.1
Net-(D11-Pad2): length 35.1
  Bottom w0.25: SW15.1 89.83,77.28 arc(90.81,77.93) 91.95,78.16 110.37,78.16 arc(111.13,78.01) 111.78,77.58 112.62,76.74 arc(113.05,76.09) 113.2,75.32 D11.2
Net-(D12-Pad1): length 30.2
  Bottom w0.25: SW18.1 133.77,77.28 arc(132.79,77.93) 131.65,78.16 118.08,78.16 arc(117.32,78.01) 116.67,77.58 115.97,76.88 arc(115.54,76.23) 115.39,75.46 D12.1
Net-(D12-Pad2): length 8.5
  Bottom w0.25: SW17.1 121.33,73.1 arc(121.17,73.87) 120.74,74.52 119.84,75.41 arc(119.19,75.85) 118.43,76 D12.2
Net-(D13-Pad1): length 17.9
  Bottom w0.25: 159.43,74.83 SW19.1 159.43,75.58 arc(159.58,76.35) 160.01,77 160.3,77.28 arc(161.27,77.93) 162.42,78.16 163.17,78.16 arc(163.94,78.01) 164.58,77.58 D13.1
Net-(D13-Pad2): length 12.5
  Bottom w0.25: D13.2 173.42,74.66 arc(174.19,74.5) 174.84,74.07 178.23,70.68 SW110.1
Net-(D14-Pad1): length 46.2
  Bottom w0.25: D14.1 175.35,75.34 arc(175.42,75.72) 175.64,76.04 177.17,77.58 arc(177.82,78.01) 178.58,78.16 207.85,78.16 arc(208.99,77.93) 209.97,77.28 SW112.1
Net-(D14-Pad2): length 24.2
  Bottom w0.25: SW111.1 191.37,76.83 arc(190.39,77.48) 189.25,77.71 179.23,77.71 arc(178.47,77.56) 177.82,77.13 D14.2
Net-(D15-Pad1): length 13.9
  Bottom w0.25: SW113.1 245.15,75.62 arc(245.3,76.38) 245.74,77.03 245.99,77.28 arc(246.96,77.93) 248.11,78.16 248.94,78.16 arc(249.71,78.01) 250.35,77.58 D15.1
Net-(D15-Pad2): length 12.5
  Bottom w0.25: SW114.1 263.92,70.68 260.53,74.07 arc(259.88,74.5) 259.11,74.66 D15.2
Net-(D16-Pad2): length 22.9
  Bottom w0.25: SW115.1 278.8,75.12 arc(277.83,75.77) 276.68,76 D16.2
Net-(D17-Pad1): length 62.9
  Bottom w0.25: SW201.1 5.72,49.97 6.29,49.4 6.29,46.49 11.06,41.73 arc(12.04,41.07) 13.18,40.85 57.65,40.85 arc(58.41,41) 59.06,41.43 60.08,42.45 arc(60.4,42.67) 60.78,42.74 D17.1
Net-(D17-Pad2): length 43.7
  Bottom w0.25: SW202.1 24.78,49.87 25.44,49.2 25.44,45 29.14,41.3 57.46,41.3 arc(58.22,41.45) 58.87,41.88 D17.2
Net-(D18-Pad1): length 15.1
  Bottom w0.25: SW203.1 44.44,49.56 44.44,44.15 46.85,41.75 50.83,41.75 D18.1
Net-(D18-Pad2): length 19.7
  Bottom w0.25: 56.41,41.75 56.88,41.75 ; 56.88,41.75 54.56,41.75 52.22,44.08 D18.2 ; 56.88,41.75 arc(57.65,41.9) 58.3,42.33 63.55,47.58 63.55,49.51 SW204.1
Net-(D19-Pad1): length 39.6
  Bottom w0.25: SW205.1 81.97,50.18 82.69,49.45 82.69,44.44 85.84,41.29 110.93,41.29 arc(111.69,41.44) 112.34,41.88 112.91,42.45 arc(113.13,42.77) 113.2,43.15 D19.1
Net-(D19-Pad2): length 17.5
  Bottom w0.25: D19.2 111.24,42.03 arc(110.92,41.82) 110.53,41.74 104.71,41.74 101.83,44.62 101.83,49.32 SW206.1
Net-(D20-Pad1): length 31.3
  Bottom w0.25: SW208.1 139.22,50.18 139.95,49.45 139.95,44.25 136.98,41.29 118.92,41.29 arc(118.15,41.44) 117.51,41.88 D20.1
Net-(D20-Pad2): length 11.5
  Bottom w0.25: D20.2 115.7,43.68 119.37,43.68 120.8,45.1 120.8,49.45 120.07,50.18 SW207.1
Net-(D21-Pad1): length 16.2
  Bottom w0.25: 175.35,45.04 178.09,47.79 178.09,49.35 177.27,50.18 SW210.1 ; 175.35,45.04 174.34,44.03 D21.1 ; 175.35,45.04 174.44,44.13
Net-(D21-Pad2): length 16
  Bottom w0.25: SW209.1 158.17,50.18 158.8,49.55 158.8,43.14 160.65,41.29 163.95,41.29 arc(164.72,41.44) 165.36,41.88 D21.2
Net-(D22-Pad1): length 28.1
  Bottom w0.25: D22.1 177.37,42.03 arc(177.69,41.82) 178.08,41.74 194.53,41.74 197.05,44.25 197.05,49.6 196.47,50.18 SW211.1
Net-(D22-Pad2): length 49.9
  Bottom w0.25: D22.2 175.37,42.84 arc(175.44,42.46) 175.66,42.14 176.21,41.58 arc(176.54,41.37) 176.92,41.29 212.68,41.29 216,44.6 216,49.6 215.42,50.18 SW212.1
Net-(D23-Pad1): length 15.4
  Bottom w0.25: D23.1 254.35,45.1 261.84,45.1 263.75,47 263.75,49.55 263.12,50.18 SW214.1
Net-(D23-Pad2): length 15
  Bottom w0.25: D23.2 251.01,41.76 arc(250.37,41.33) 249.6,41.18 249.03,41.18 arc(248.27,41.33) 247.62,41.76 244.4,44.99 244.4,49.35 243.85,49.9 SW213.1
Net-(D24-Pad1): length 26.5
  Bottom w0.25: SW215.1 282.07,50.18 282.79,49.45 282.79,45.7 279.8,42.7 D24.1
Net-(D25-Pad1): length 39.6
  Bottom w0.25: SW302.1 32.57,39.07 arc(33.54,39.72) 34.69,39.95 57.47,39.95 arc(58.23,39.8) 58.88,39.36 61.08,37.17 D25.1
Net-(D25-Pad2): length 61
  Bottom w0.25: SW301.1 7.02,34.6 arc(7.18,35.36) 7.61,36.01 11.12,39.52 arc(12.09,40.17) 13.24,40.4 57.65,40.4 arc(58.42,40.24) 59.07,39.81 60.65,38.23 arc(60.97,38.01) 61.35,37.94 D25.2
Net-(D26-Pad1): length 8.9
  Bottom w0.25: SW303.1 49.89,37.34 arc(50.54,37.78) 51.31,37.93 D26.1
Net-(D26-Pad2): length 13.9
  Bottom w0.25: D26.2 53.24,34.39 54.56,33.07 63.68,33.07 SW304.1
Net-(D27-Pad1): length 20.6
  Bottom w0.25: D27.1 110.92,38.91 arc(110.27,39.34) 109.51,39.49 101.22,39.49 arc(100.46,39.34) 99.81,38.91 99.59,38.69 arc(99.16,38.04) 99,37.27 99,36.67 arc(99.16,35.91) 99.59,35.26 SW306.1
